# Altium PCB Remote.PcbDoc (part 3 of 3)
Units mil, origin at the board's own origin, x right, y up, seen from the top; angles counter-clockwise.
Board outline 7743 x 3937.01 mil, 2 copper layers (Top Layer, Bottom Layer); 184 components, 143 nets, 617 pads, 744 vias.
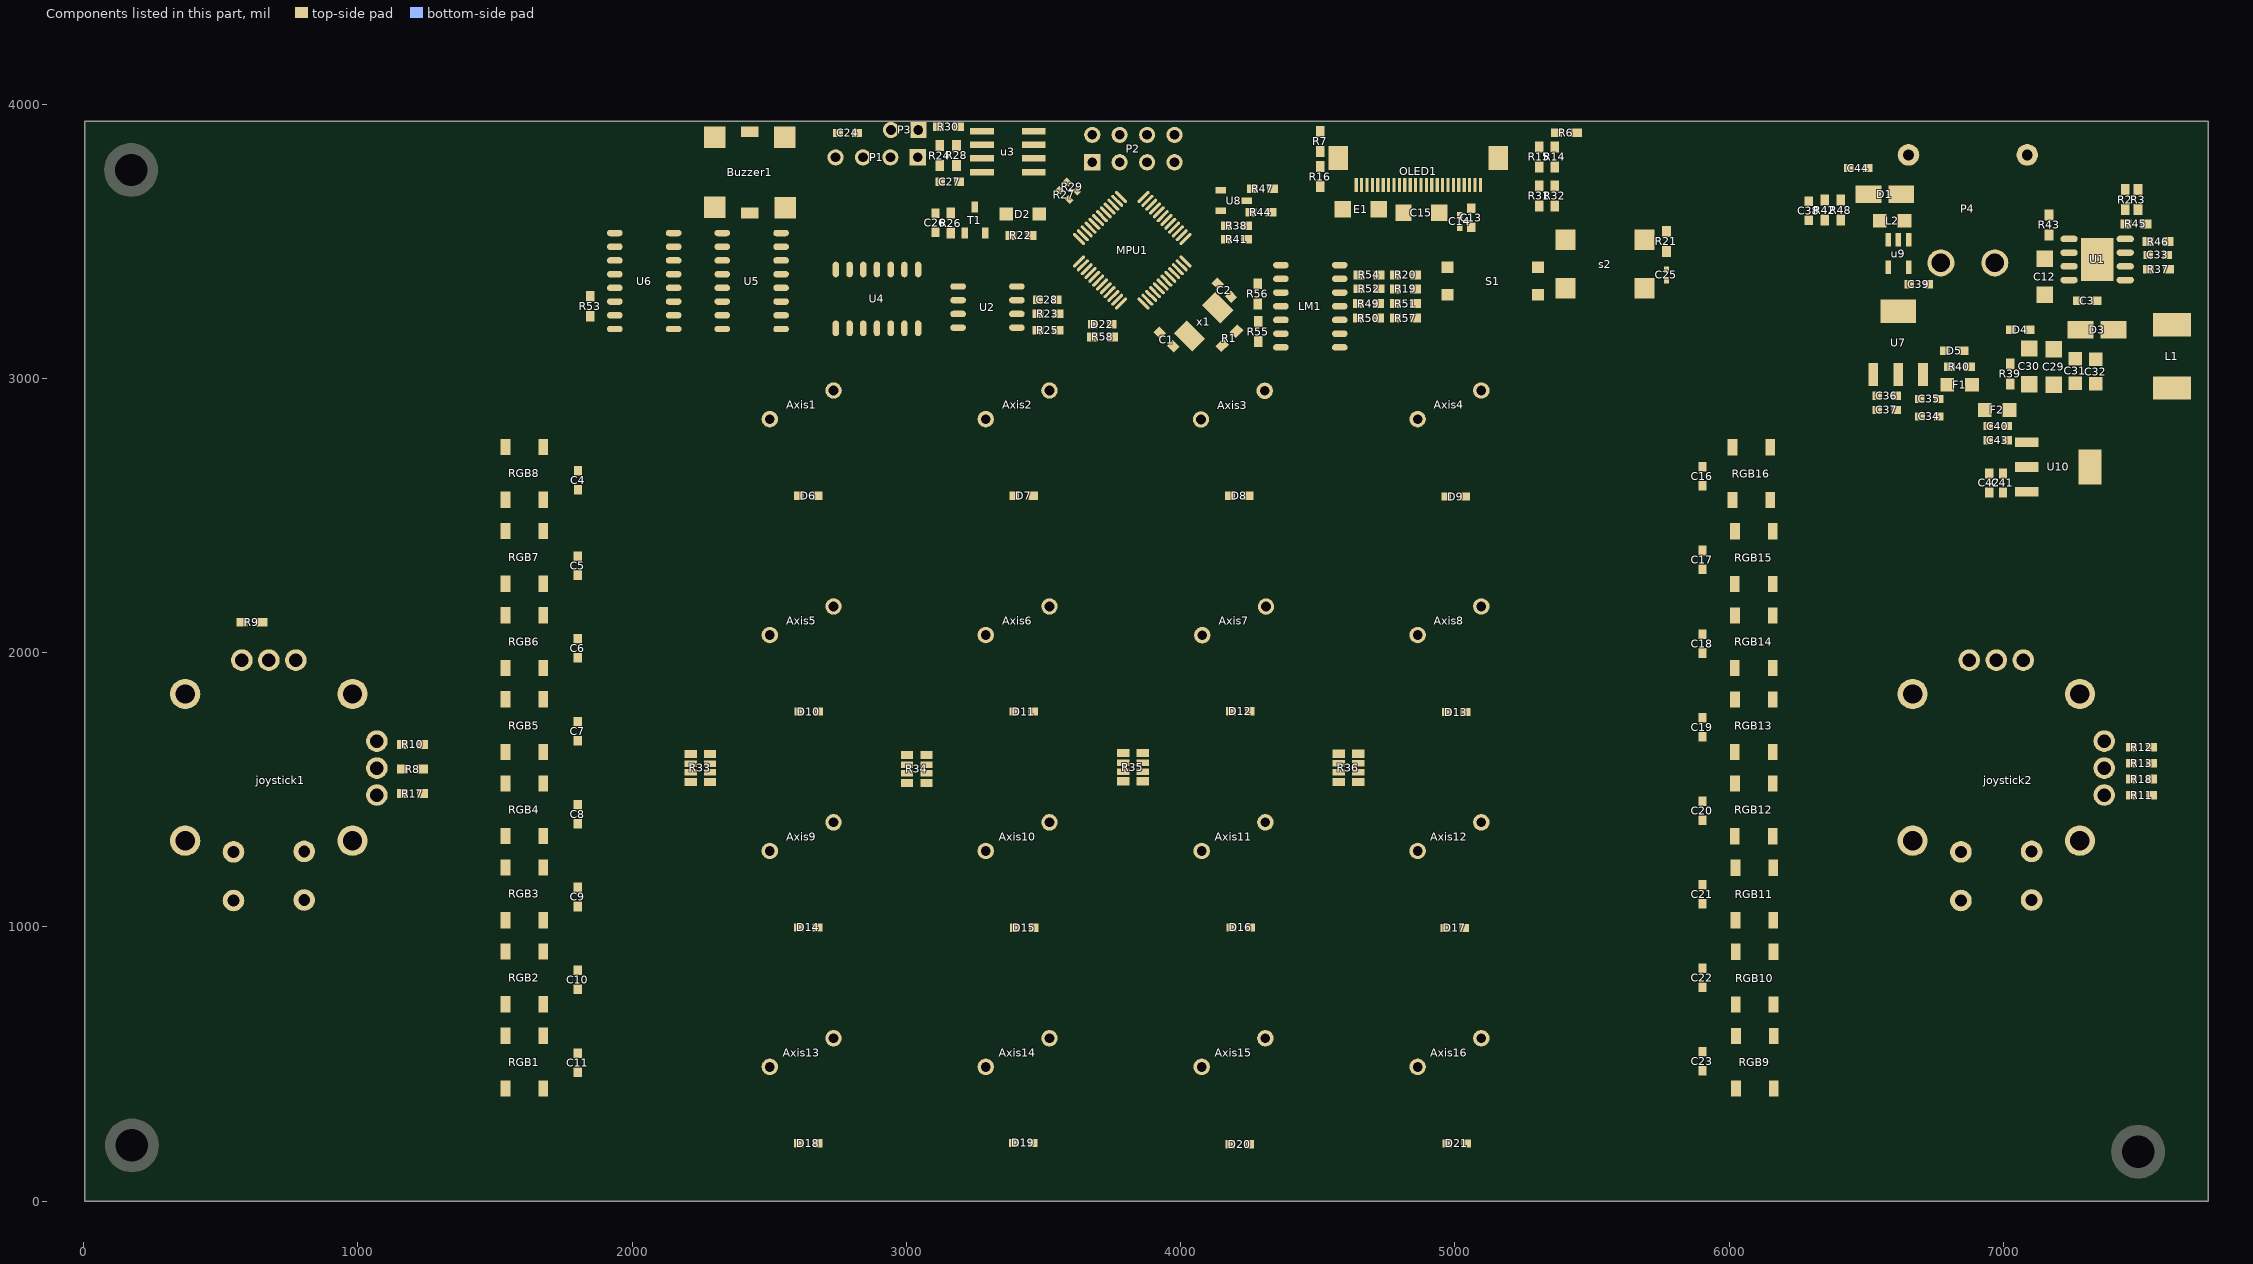
[diagram p3: the components of this part, seen from the top]

## Silkscreen, mask and mechanical layers (free items; w line width, h text height)
Top Overlay:
  region: 6863,3101 6856,3094 6863,3087
  text "D2,D3,D1 INVERT and rgb8 5v is miss" at 443,4154 h60
  text "ouyjy 19/11/19" at 231,3170 h60
Mechanical 1:
  lines w6: 4,0 4,3149.61 4,3707 4,3937.01 7747,3937.01 7747,3149.61 7747,0 4,0

## Text inside footprints (layer, text, board x,y; h text height)
P2: Top Overlay "8" at 4038,3868 h32; Top Overlay "7" at 4038,3768 h32; Top Overlay "1" at 3598,3768 h32; Top Overlay "2" at 3578,3868 h32